# KiCad board main-board-rev1.kicad_pcb (continued)
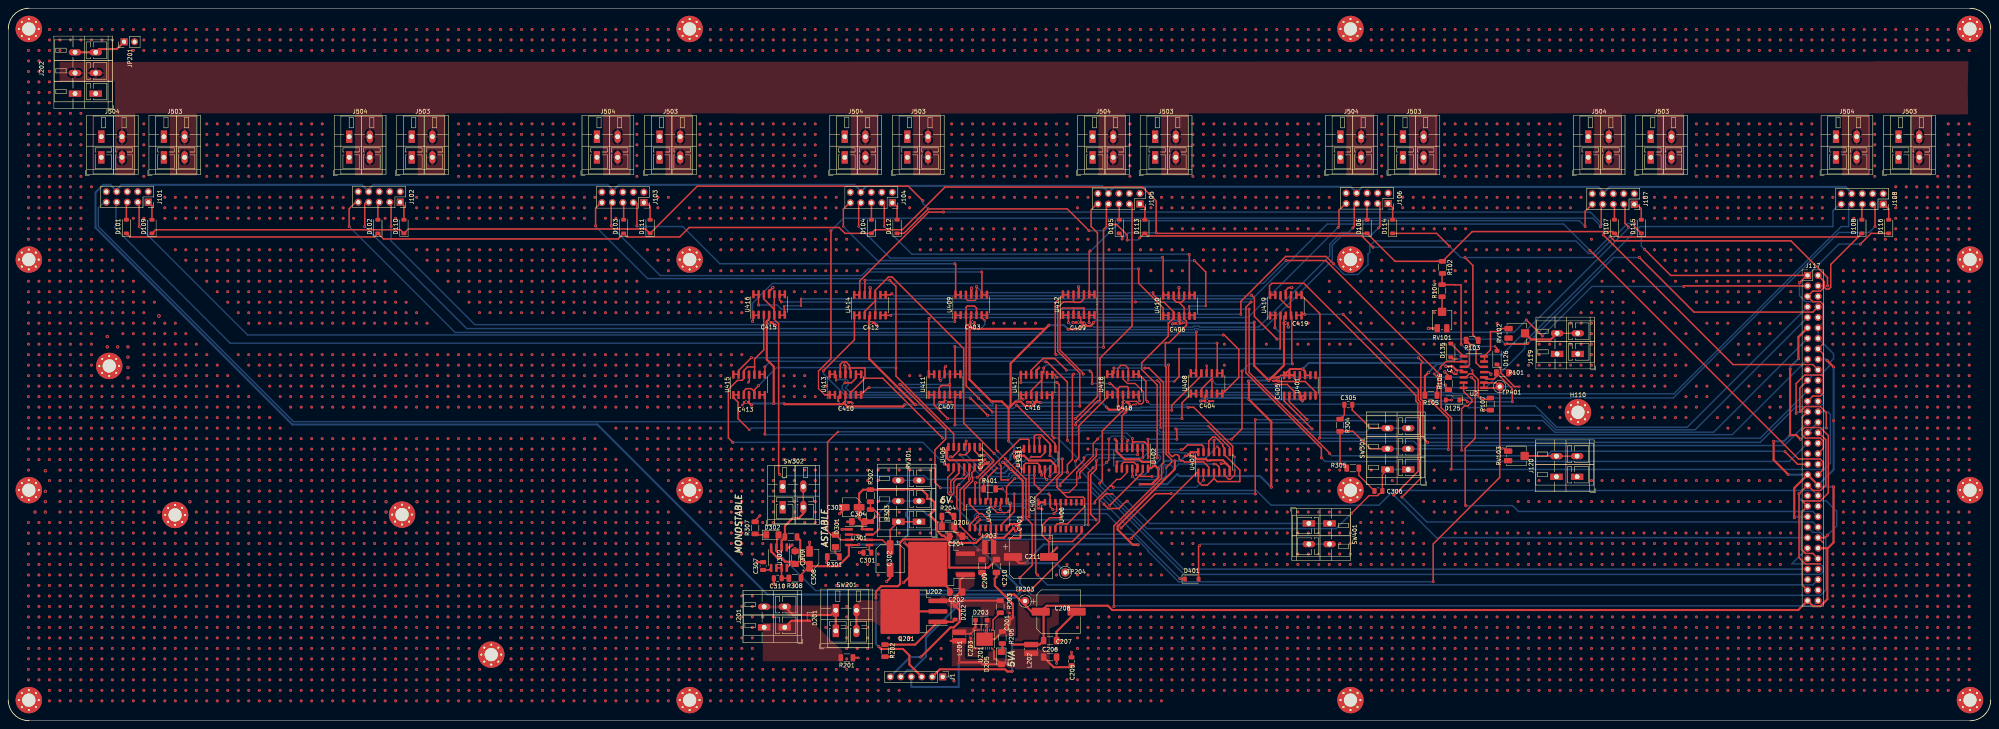
[diagram p0: board, top side]
## Routing (per net, layer and track width the routed paths; a pad name or vN(x,y) marks a point on that pad's centre or on a via; arc(x,y) is an arc through that point) (continued)
 v1(68.39,81.01) v1(68.39,78.47) v1(68.39,75.93) v1(68.39,68.31) v1(68.39,65.77) v1(68.39,63.23) v1(68.39,60.69) v1(68.39,58.15) v1(68.39,55.61) v1(68.39,53.07) v1(68.39,50.53) v1(68.39,47.99) v1(68.39,45.45) v1(68.39,42.91) v1(68.39,40.37) v1(68.39,37.83) v1(68.39,35.29) v1(68.39,32.75) v1(68.39,30.21) v1(68.39,27.67) v1(68.39,25.13) v1(68.39,22.59) v1(68.39,20.05) v1(68.39,17.51) v1(68.39,14.97) v1(68.39,12.43) v1(68.39,9.89) v1(68.39,7.35) v1(68.39,4.81) v1(70.93,167.37) v1(70.93,164.83) v1(70.93,162.29) v1(70.93,144.51) v1(70.93,141.97) v1(70.93,139.43) v1(70.93,136.89) v1(70.93,134.35) v1(70.93,131.81) v1(70.93,126.73) v1(70.93,124.19) v1(70.93,121.65) v1(70.93,114.03) v1(70.93,111.49) v1(70.93,108.95) v1(70.93,106.41) v1(70.93,103.87) v1(70.93,101.33) v1(70.93,98.79) v1(70.93,96.25) v1(70.93,88.63) v1(70.93,86.09) v1(70.93,83.55) v1(70.93,81.01) v1(70.93,78.47) v1(70.93,75.93) v1(70.93,68.31) v1(70.93,65.77) v1(70.93,63.23) v1(70.93,60.69) v1(70.93,58.15) v1(70.93,55.61) v1(70.93,53.07) v1(70.93,50.53) v1(70.93,47.99) v1(70.93,45.45) v1(70.93,42.91) v1(70.93,40.37) v1(70.93,37.83) v1(70.93,35.29) v1(70.93,32.75) v1(70.93,30.21) v1(70.93,27.67) v1(70.93,25.13) v1(70.93,22.59) v1(70.93,20.05) v1(70.93,17.51) v1(70.93,14.97) v1(70.93,12.43) v1(70.93,9.89) v1(70.93,7.35) v1(70.93,4.81) v1(73.47,167.37) v1(73.47,164.83) v1(73.47,162.29) v1(73.47,144.51) v1(73.47,141.97) v1(73.47,139.43) v1(73.47,136.89) v1(73.47,134.35) v1(73.47,131.81) v1(73.47,126.73) v1(73.47,124.19) v1(73.47,121.65) v1(73.47,114.03) v1(73.47,111.49) v1(73.47,108.95) v1(73.47,106.41) v1(73.47,103.87) v1(73.47,101.33) v1(73.47,98.79) v1(73.47,96.25) v1(73.47,88.63) v1(73.47,86.09) v1(73.47,83.55) v1(73.47,81.01) v1(73.47,78.47) v1(73.47,75.93) v1(73.47,68.31) v1(73.47,65.77) v1(73.47,63.23) v1(73.47,60.69) v1(73.47,58.15) v1(73.47,55.61) v1(73.47,53.07) v1(73.47,50.53) v1(73.47,47.99) v1(73.47,45.45) v1(73.47,42.91) v1(73.47,40.37) v1(73.47,37.83) v1(73.47,35.29) v1(73.47,32.75) v1(73.47,30.21) v1(73.47,27.67) v1(73.47,25.13) v1(73.47,22.59) v1(73.47,20.05) v1(73.47,17.51) v1(73.47,14.97) v1(73.47,12.43) v1(73.47,9.89) v1(73.47,7.35) v1(73.47,4.81) v1(76.01,167.37) v1(76.01,164.83) v1(76.01,162.29) v1(76.01,144.51) v1(76.01,141.97) v1(76.01,139.43) v1(76.01,136.89) v1(76.01,134.35) v1(76.01,131.81) v1(76.01,126.73) v1(76.01,124.19) v1(76.01,121.65) v1(76.01,114.03) v1(76.01,111.49) v1(76.01,108.95) v1(76.01,106.41) v1(76.01,103.87) v1(76.01,101.33) v1(76.01,98.79) v1(76.01,96.25) v1(76.01,88.63) v1(76.01,86.09) v1(76.01,83.55) v1(76.01,81.01) v1(76.01,78.47) v1(76.01,75.93) v1(76.01,68.31) v1(76.01,65.77) v1(76.01,63.23) v1(76.01,60.69) v1(76.01,58.15) v1(76.01,55.61) v1(76.01,53.07) v1(76.01,50.53) v1(76.01,47.99) v1(76.01,45.45) v1(76.01,42.91) v1(76.01,40.37) v1(76.01,37.83) v1(76.01,35.29) v1(76.01,32.75) v1(76.01,30.21) v1(76.01,27.67) v1(76.01,25.13) v1(76.01,22.59) v1(76.01,20.05) v1(76.01,17.51) v1(76.01,14.97) v1(76.01,12.43) v1(76.01,9.89) v1(76.01,7.35) v1(76.01,4.81) v1(78.55,167.37) v1(78.55,164.83) v1(78.55,162.29) v1(78.55,126.73) v1(78.55,124.19) v1(78.55,121.65) v1(78.55,114.03) v1(78.55,111.49) v1(78.55,108.95) v1(78.55,106.41) v1(78.55,103.87) v1(78.55,101.33) v1(78.55,98.79) v1(78.55,96.25) v1(78.55,88.63) v1(78.55,86.09) v1(78.55,83.55) v1(78.55,81.01) v1(78.55,78.47) v1(78.55,75.93) v1(78.55,68.31) v1(78.55,65.77) v1(78.55,63.23) v1(78.55,60.69) v1(78.55,58.15) v1(78.55,55.61) v1(78.55,53.07) v1(78.55,50.53) v1(78.55,47.99) v1(78.55,45.45) v1(78.55,42.91) v1(78.55,40.37) v1(78.55,37.83) v1(78.55,35.29) v1(78.55,32.75) v1(78.55,30.21) v1(78.55,27.67) v1(78.55,25.13) v1(78.55,22.59) v1(78.55,20.05) v1(78.55,17.51) v1(78.55,14.97) v1(78.55,12.43) v1(78.55,9.89) v1(78.55,7.35) v1(78.55,4.81) v1(81.09,167.37) v1(81.09,164.83) v1(81.09,162.29) v1(81.09,126.73) v1(81.09,124.19) v1(81.09,121.65) v1(81.09,114.03) v1(81.09,111.49) v1(81.09,108.95) v1(81.09,106.41) v1(81.09,103.87) v1(81.09,101.33) v1(81.09,98.79) v1(81.09,96.25) v1(81.09,88.63) v1(81.09,86.09) v1(81.09,83.55) v1(81.09,81.01) v1(81.09,78.47) v1(81.09,75.93) v1(81.09,68.31) v1(81.09,65.77) v1(81.09,63.23) v1(81.09,60.69) v1(81.09,58.15) v1(81.09,55.61) v1(81.09,53.07) v1(81.09,50.53) v1(81.09,47.99) v1(81.09,45.45) v1(81.09,42.91) v1(81.09,40.37) v1(81.09,37.83) v1(81.09,35.29) v1(81.09,32.75) v1(81.09,30.21) v1(81.09,27.67) v1(81.09,25.13) v1(81.09,22.59) v1(81.09,20.05) v1(81.09,17.51) v1(81.09,14.97) v1(81.09,12.43) v1(81.09,9.89) v1(81.09,7.35) v1(81.09,4.81) v1(83.63,167.37) v1(83.63,164.83) v1(83.63,162.29) v1(83.63,121.65) v1(83.63,114.03) v1(83.63,111.49) v1(83.63,108.95) v1(83.63,106.41) v1(83.63,103.87) v1(83.63,101.33) v1(83.63,98.79) v1(83.63,96.25) v1(83.63,88.63) v1(83.63,86.09) v1(83.63,83.55) v1(83.63,81.01) v1(83.63,78.47) v1(83.63,75.93) v1(83.63,68.31) v1(83.63,65.77) v1(83.63,63.23) v1(83.63,60.69) v1(83.63,58.15) v1(83.63,55.61) v1(83.63,53.07) v1(83.63,50.53) v1(83.63,47.99) v1(83.63,45.45) v1(83.63,42.91) v1(83.63,40.37) v1(83.63,37.83) v1(83.63,35.29) v1(83.63,32.75) v1(83.63,30.21) v1(83.63,27.67) v1(83.63,25.13) v1(83.63,22.59) v1(83.63,20.05) v1(83.63,17.51) v1(83.63,14.97) v1(83.63,12.43) v1(83.63,9.89) v1(83.63,7.35) v1(83.63,4.81) v1(86.17,167.37) v1(86.17,164.83) v1(86.17,162.29) v1(86.17,111.49) v1(86.17,108.95) v1(86.17,106.41) v1(86.17,103.87) v1(86.17,101.33) v1(86.17,98.79) v1(86.17,96.25) v1(86.17,88.63) v1(86.17,86.09) v1(86.17,83.55) v1(86.17,81.01) v1(86.17,78.47) v1(86.17,75.93) v1(86.17,68.31) v1(86.17,65.77) v1(86.17,63.23) v1(86.17,60.69) v1(86.17,58.15) v1(86.17,55.61) v1(86.17,53.07) v1(86.17,50.53) v1(86.17,47.99) v1(86.17,45.45) v1(86.17,42.91) v1(86.17,40.37) v1(86.17,37.83) v1(86.17,35.29) v1(86.17,32.75) v1(86.17,30.21) v1(86.17,27.67) v1(86.17,25.13) v1(86.17,22.59) v1(86.17,20.05) v1(86.17,17.51) v1(86.17,14.97) v1(86.17,12.43) v1(86.17,9.89) v1(86.17,7.35) v1(86.17,4.81) v1(88.71,167.37) v1(88.71,164.83) v1(88.71,162.29) v1(88.71,108.95) v1(88.71,106.41) v1(88.71,103.87) v1(88.71,101.33) v1(88.71,98.79) v1(88.71,96.25) v1(88.71,88.63) v1(88.71,86.09) v1(88.71,83.55) v1(88.71,81.01) v1(88.71,78.47) v1(88.71,75.93) v1(88.71,68.31) v1(88.71,65.77) v1(88.71,63.23) v1(88.71,60.69) v1(88.71,58.15) v1(88.71,55.61) v1(88.71,53.07) v1(88.71,50.53) v1(88.71,47.99) v1(88.71,45.45) v1(88.71,42.91) v1(88.71,40.37) v1(88.71,37.83) v1(88.71,35.29) v1(88.71,32.75) v1(88.71,30.21) v1(88.71,27.67) v1(88.71,25.13) v1(88.71,22.59) v1(88.71,20.05) v1(88.71,17.51) v1(88.71,14.97) v1(88.71,12.43) v1(88.71,9.89) v1(88.71,7.35) v1(88.71,4.81) v1(91.25,167.37) v1(91.25,164.83) v1(91.25,162.29) v1(91.25,121.65) v1(91.25,106.41) v1(91.25,103.87) v1(91.25,101.33) v1(91.25,98.79) v1(91.25,96.25) v1(91.25,88.63) v1(91.25,86.09) v1(91.25,83.55) v1(91.25,81.01) v1(91.25,78.47) v1(91.25,75.93) v1(91.25,68.31) v1(91.25,65.77) v1(91.25,63.23) v1(91.25,60.69) v1(91.25,58.15) v1(91.25,55.61) v1(91.25,47.99) v1(91.25,45.45) v1(91.25,42.91) v1(91.25,40.37) v1(91.25,37.83) v1(91.25,35.29) v1(91.25,32.75) v1(91.25,30.21) v1(91.25,27.67) v1(91.25,25.13) v1(91.25,22.59) v1(91.25,20.05) v1(91.25,17.51) v1(91.25,14.97) v1(91.25,12.43) v1(91.25,9.89) v1(91.25,7.35) v1(91.25,4.81) v1(93.79,167.37) v1(93.79,164.83) v1(93.79,162.29) v1(93.79,121.65) v1(93.79,103.87) v1(93.79,101.33) v1(93.79,98.79) v1(93.79,96.25) v1(93.79,88.63) v1(93.79,86.09) v1(93.79,83.55) v1(93.79,81.01) v1(93.79,78.47) v1(93.79,75.93) v1(93.79,68.31) v1(93.79,65.77) v1(93.79,63.23) v1(93.79,60.69) v1(93.79,58.15) v1(93.79,55.61) v1(93.79,45.45) v1(93.79,42.91) v1(93.79,40.37) v1(93.79,37.83) v1(93.79,35.29) v1(93.79,32.75) v1(93.79,30.21) v1(93.79,27.67) v1(93.79,25.13) v1(93.79,22.59) v1(93.79,20.05) v1(93.79,17.51) v1(93.79,14.97) v1(93.79,12.43) v1(93.79,9.89) v1(93.79,7.35) v1(93.79,4.81) v1(96.33,167.37) v1(96.33,164.83) v1(96.33,162.29) v1(96.33,101.33) v1(96.33,98.79) v1(96.33,96.25) v1(96.33,88.63) v1(96.33,86.09) v1(96.33,83.55) v1(96.33,81.01) v1(96.33,78.47) v1(96.33,75.93) v1(96.33,68.31) v1(96.33,65.77) v1(96.33,63.23) v1(96.33,60.69) v1(96.33,58.15) v1(96.33,55.61) v1(96.33,45.45) v1(96.33,42.91) v1(96.33,40.37) v1(96.33,37.83) v1(96.33,35.29) v1(96.33,32.75) v1(96.33,30.21) v1(96.33,27.67) v1(96.33,25.13) v1(96.33,22.59) v1(96.33,20.05) v1(96.33,17.51) v1(96.33,14.97) v1(96.33,12.43) v1(96.33,9.89) v1(96.33,7.35) v1(96.33,4.81) v1(98.87,167.37) v1(98.87,164.83) v1(98.87,162.29) v1(98.87,126.73) v1(98.87,124.19) v1(98.87,121.65) v1(98.87,114.03) v1(98.87,98.79) v1(98.87,96.25) v1(98.87,88.63) v1(98.87,86.09) v1(98.87,83.55) v1(98.87,81.01) v1(98.87,78.47) v1(98.87,75.93) v1(98.87,68.31) v1(98.87,65.77) v1(98.87,63.23) v1(98.87,60.69) v1(98.87,58.15) v1(98.87,55.61) v1(98.87,45.45) v1(98.87,42.91) v1(98.87,40.37) v1(98.87,37.83) v1(98.87,35.29) v1(98.87,32.75) v1(98.87,30.21) v1(98.87,27.67) v1(98.87,25.13) v1(98.87,22.59) v1(98.87,20.05) v1(98.87,17.51) v1(98.87,14.97) v1(98.87,12.43) v1(98.87,9.89) v1(98.87,7.35) v1(98.87,4.81) v1(101.41,167.37) v1(101.41,164.83) v1(101.41,162.29) v1(101.41,126.73) v1(101.41,124.19) v1(101.41,121.65) v1(101.41,114.03) v1(101.41,111.49) v1(101.41,96.25) v1(101.41,88.63) v1(101.41,86.09) v1(101.41,83.55) v1(101.41,81.01) v1(101.41,78.47) v1(101.41,75.93) v1(101.41,68.31) v1(101.41,65.77) v1(101.41,63.23) v1(101.41,60.69) v1(101.41,58.15) v1(101.41,55.61) v1(101.41,53.07) v1(101.41,50.53) v1(101.41,47.99) v1(101.41,45.45) v1(101.41,42.91) v1(101.41,40.37) v1(101.41,37.83) v1(101.41,35.29) v1(101.41,32.75) v1(101.41,30.21) v1(101.41,27.67) v1(101.41,25.13) v1(101.41,22.59) v1(101.41,20.05) v1(101.41,17.51) v1(101.41,14.97) v1(101.41,12.43) v1(101.41,9.89) v1(101.41,7.35) v1(101.41,4.81) v1(103.95,167.37) v1(103.95,164.83) v1(103.95,162.29) v1(103.95,126.73) v1(103.95,124.19) v1(103.95,121.65) v1(103.95,114.03) v1(103.95,111.49) v1(103.95,108.95) v1(103.95,88.63) v1(103.95,86.09) v1(103.95,83.55) v1(103.95,81.01) v1(103.95,78.47) v1(103.95,75.93) v1(103.95,68.31) v1(103.95,65.77) v1(103.95,63.23) v1(103.95,60.69) v1(103.95,58.15) v1(103.95,55.61) v1(103.95,53.07) v1(103.95,50.53) v1(103.95,47.99) v1(103.95,45.45) v1(103.95,42.91) v1(103.95,40.37) v1(103.95,37.83) v1(103.95,35.29) v1(103.95,32.75) v1(103.95,30.21) v1(103.95,27.67) v1(103.95,25.13) v1(103.95,22.59) v1(103.95,20.05) v1(103.95,17.51) v1(103.95,14.97) v1(103.95,12.43) v1(103.95,9.89) v1(103.95,7.35) v1(103.95,4.81) v1(106.49,167.37) v1(106.49,164.83) v1(106.49,162.29) v1(106.49,126.73) v1(106.49,124.19) v1(106.49,121.65) v1(106.49,114.03) v1(106.49,111.49) v1(106.49,108.95) v1(106.49,106.41) v1(106.49,88.63) v1(106.49,86.09) v1(106.49,83.55) v1(106.49,81.01) v1(106.49,78.47) v1(106.49,75.93) v1(106.49,68.31) v1(106.49,65.77) v1(106.49,63.23) v1(106.49,60.69) v1(106.49,58.15) v1(106.49,55.61) v1(106.49,53.07) v1(106.49,50.53) v1(106.49,47.99) v1(106.49,45.45) v1(106.49,42.91) v1(106.49,40.37) v1(106.49,37.83) v1(106.49,35.29) v1(106.49,32.75) v1(106.49,30.21) v1(106.49,27.67) v1(106.49,25.13) v1(106.49,22.59) v1(106.49,20.05) v1(106.49,17.51) v1(106.49,14.97) v1(106.49,12.43) v1(106.49,9.89) v1(106.49,7.35) v1(106.49,4.81) v1(109.03,167.37) v1(109.03,164.83) v1(109.03,162.29) v1(109.03,144.51) v1(109.03,141.97) v1(109.03,139.43) v1(109.03,136.89) v1(109.03,134.35) v1(109.03,131.81) v1(109.03,126.73) v1(109.03,124.19) v1(109.03,121.65) v1(109.03,114.03) v1(109.03,111.49) v1(109.03,108.95) v1(109.03,106.41) v1(109.03,103.87) v1(109.03,88.63) v1(109.03,86.09) v1(109.03,83.55) v1(109.03,81.01) v1(109.03,78.47) v1(109.03,75.93) v1(109.03,68.31) v1(109.03,65.77) v1(109.03,63.23) v1(109.03,60.69) v1(109.03,58.15) v1(109.03,55.61) v1(109.03,53.07) v1(109.03,50.53) v1(109.03,47.99) v1(109.03,45.45) v1(109.03,42.91) v1(109.03,40.37) v1(109.03,37.83) v1(109.03,35.29) v1(109.03,32.75) v1(109.03,30.21) v1(109.03,27.67) v1(109.03,25.13) v1(109.03,22.59) v1(109.03,20.05) v1(109.03,17.51) v1(109.03,14.97) v1(109.03,12.43) v1(109.03,9.89) v1(109.03,7.35) v1(109.03,4.81) v1(111.57,167.37) v1(111.57,164.83) v1(111.57,162.29) v1(111.57,144.51) v1(111.57,141.97) v1(111.57,139.43) v1(111.57,136.89) v1(111.57,134.35) v1(111.57,131.81) v1(111.57,126.73) v1(111.57,124.19) v1(111.57,121.65) v1(111.57,114.03) v1(111.57,111.49) v1(111.57,108.95) v1(111.57,106.41) v1(111.57,103.87) v1(111.57,101.33) v1(111.57,88.63) v1(111.57,86.09) v1(111.57,83.55) v1(111.57,81.01) v1(111.57,78.47) v1(111.57,75.93) v1(111.57,68.31) v1(111.57,65.77) v1(111.57,63.23) v1(111.57,60.69) v1(111.57,58.15) v1(111.57,55.61) v1(111.57,53.07) v1(111.57,50.53) v1(111.57,47.99) v1(111.57,45.45) v1(111.57,42.91) v1(111.57,40.37) v1(111.57,37.83) v1(111.57,35.29) v1(111.57,32.75) v1(111.57,30.21) v1(111.57,27.67) v1(111.57,25.13) v1(111.57,22.59) v1(111.57,20.05) v1(111.57,17.51) v1(111.57,14.97) v1(111.57,12.43) v1(111.57,9.89) v1(111.57,7.35) v1(111.57,4.81) v1(114.11,167.37) v1(114.11,164.83) v1(114.11,162.29) v1(114.11,144.51) v1(114.11,141.97) v1(114.11,139.43) v1(114.11,136.89) v1(114.11,134.35) v1(114.11,131.81) v1(114.11,126.73) v1(114.11,124.19) v1(114.11,121.65) v1(114.11,114.03) v1(114.11,111.49) v1(114.11,108.95) v1(114.11,106.41) v1(114.11,103.87) v1(114.11,101.33) v1(114.11,98.79) v1(114.11,88.63) v1(114.11,86.09) v1(114.11,83.55) v1(114.11,81.01) v1(114.11,78.47) v1(114.11,75.93) v1(114.11,68.31) v1(114.11,65.77) v1(114.11,63.23) v1(114.11,60.69) v1(114.11,58.15) v1(114.11,55.61) v1(114.11,53.07) v1(114.11,50.53) v1(114.11,47.99) v1(114.11,45.45) v1(114.11,42.91) v1(114.11,40.37) v1(114.11,37.83) v1(114.11,35.29) v1(114.11,32.75) v1(114.11,30.21) v1(114.11,27.67) v1(114.11,25.13) v1(114.11,22.59) v1(114.11,20.05) v1(114.11,12.43) v1(114.11,9.89) v1(114.11,7.35) v1(114.11,4.81) v1(116.65,167.37) v1(116.65,164.83) v1(116.65,162.29) v1(116.65,144.51) v1(116.65,141.97) v1(116.65,139.43) v1(116.65,136.89) v1(116.65,134.35) v1(116.65,131.81) v1(116.65,126.73) v1(116.65,124.19) v1(116.65,121.65) v1(116.65,114.03) v1(116.65,111.49) v1(116.65,108.95) v1(116.65,106.41) v1(116.65,103.87) v1(116.65,101.33) v1(116.65,98.79) v1(116.65,88.63) v1(116.65,86.09) v1(116.65,83.55) v1(116.65,81.01) v1(116.65,78.47) v1(116.65,75.93) v1(116.65,68.31) v1(116.65,65.77) v1(116.65,63.23) v1(116.65,60.69) v1(116.65,58.15) v1(116.65,55.61) v1(116.65,53.07) v1(116.65,50.53) v1(116.65,47.99) v1(116.65,45.45) v1(116.65,42.91) v1(116.65,40.37) v1(116.65,37.83) v1(116.65,35.29) v1(116.65,32.75) v1(116.65,30.21) v1(116.65,27.67) v1(116.65,25.13) v1(116.65,22.59) v1(116.65,9.89) v1(116.65,7.35) v1(116.65,4.81) v1(119.19,167.37) v1(119.19,164.83) v1(119.19,162.29) v1(119.19,144.51) v1(119.19,141.97) v1(119.19,139.43) v1(119.19,136.89) v1(119.19,134.35) v1(119.19,131.81) v1(119.19,126.73) v1(119.19,124.19) v1(119.19,121.65) v1(119.19,114.03) v1(119.19,111.49) v1(119.19,108.95) v1(119.19,106.41) v1(119.19,103.87) v1(119.19,101.33) v1(119.19,98.79) v1(119.19,88.63) v1(119.19,86.09) v1(119.19,83.55) v1(119.19,81.01) v1(119.19,78.47) v1(119.19,75.93) v1(119.19,68.31) v1(119.19,65.77) v1(119.19,63.23) v1(119.19,60.69) v1(119.19,58.15) v1(119.19,55.61) v1(119.19,53.07) v1(119.19,50.53) v1(119.19,47.99) v1(119.19,45.45) v1(119.19,42.91) v1(119.19,40.37) v1(119.19,37.83) v1(119.19,35.29) v1(119.19,32.75) v1(119.19,30.21) v1(119.19,27.67) v1(119.19,25.13) v1(119.19,22.59) v1(119.19,20.05) v1(119.19,9.89) v1(119.19,7.35) v1(119.19,4.81) v1(121.73,167.37) v1(121.73,164.83) v1(121.73,162.29) v1(121.73,144.51) v1(121.73,141.97) v1(121.73,139.43) v1(121.73,136.89) v1(121.73,134.35) v1(121.73,131.81) v1(121.73,126.73) v1(121.73,124.19) v1(121.73,121.65) v1(121.73,114.03) v1(121.73,111.49) v1(121.73,108.95) v1(121.73,106.41) v1(121.73,103.87) v1(121.73,101.33) v1(121.73,98.79) v1(121.73,88.63) v1(121.73,86.09) v1(121.73,83.55) v1(121.73,81.01) v1(121.73,78.47) v1(121.73,75.93) v1(121.73,68.31) v1(121.73,65.77) v1(121.73,63.23) v1(121.73,60.69) v1(121.73,58.15) v1(121.73,55.61) v1(121.73,53.07) v1(121.73,50.53) v1(121.73,47.99) v1(121.73,45.45) v1(121.73,42.91) v1(121.73,40.37) v1(121.73,37.83) v1(121.73,35.29) v1(121.73,32.75) v1(121.73,30.21) v1(121.73,27.67) v1(121.73,25.13) v1(121.73,22.59) v1(121.73,20.05) v1(121.73,17.51) v1(121.73,14.97) v1(121.73,12.43) v1(121.73,9.89) v1(121.73,7.35) v1(121.73,4.81) v1(124.27,167.37) v1(124.27,164.83) v1(124.27,162.29) v1(124.27,144.51) v1(124.27,141.97) v1(124.27,139.43) v1(124.27,136.89) v1(124.27,134.35) v1(124.27,131.81) v1(124.27,126.73) v1(124.27,124.19) v1(124.27,121.65) v1(124.27,114.03) v1(124.27,111.49) v1(124.27,108.95) v1(124.27,106.41) v1(124.27,103.87) v1(124.27,101.33) v1(124.27,98.79) v1(124.27,88.63) v1(124.27,86.09) v1(124.27,83.55) v1(124.27,81.01) v1(124.27,78.47) v1(124.27,75.93) v1(124.27,68.31) v1(124.27,65.77) v1(124.27,63.23) v1(124.27,60.69) v1(124.27,58.15) v1(124.27,55.61) v1(124.27,53.07) v1(124.27,50.53) v1(124.27,47.99) v1(124.27,45.45) v1(124.27,42.91) v1(124.27,40.37) v1(124.27,37.83) v1(124.27,35.29) v1(124.27,32.75) v1(124.27,30.21) v1(124.27,27.67) v1(124.27,25.13) v1(124.27,22.59) v1(124.27,20.05) v1(124.27,17.51) v1(124.27,14.97) v1(124.27,12.43) v1(124.27,9.89) v1(124.27,7.35) v1(124.27,4.81) v1(126.81,167.37) v1(126.81,164.83) v1(126.81,162.29) v1(126.81,144.51) v1(126.81,141.97) v1(126.81,139.43) v1(126.81,136.89) v1(126.81,134.35) v1(126.81,131.81) v1(126.81,126.73) v1(126.81,124.19) v1(126.81,121.65) v1(126.81,114.03) v1(126.81,111.49) v1(126.81,108.95) v1(126.81,106.41) v1(126.81,103.87) v1(126.81,101.33) v1(126.81,98.79) v1(126.81,88.63) v1(126.81,86.09) v1(126.81,83.55) v1(126.81,81.01) v1(126.81,78.47) v1(126.81,75.93) v1(126.81,68.31) v1(126.81,65.77) v1(126.81,63.23) v1(126.81,60.69) v1(126.81,58.15) v1(126.81,55.61) v1(126.81,53.07) v1(126.81,50.53) v1(126.81,47.99) v1(126.81,45.45) v1(126.81,42.91) v1(126.81,40.37) v1(126.81,37.83) v1(126.81,35.29) v1(126.81,32.75) v1(126.81,30.21) v1(126.81,27.67) v1(126.81,25.13) v1(126.81,22.59) v1(126.81,20.05) v1(126.81,17.51) v1(126.81,14.97) v1(126.81,12.43) v1(126.81,9.89) v1(126.81,7.35) v1(126.81,4.81) v1(129.35,167.37) v1(129.35,164.83) v1(129.35,162.29) v1(129.35,144.51) v1(129.35,141.97) v1(129.35,139.43) v1(129.35,136.89) v1(129.35,134.35) v1(129.35,131.81) v1(129.35,126.73) v1(129.35,124.19) v1(129.35,121.65) v1(129.35,114.03) v1(129.35,111.49) v1(129.35,108.95) v1(129.35,106.41) v1(129.35,103.87) v1(129.35,101.33) v1(129.35,98.79) v1(129.35,88.63) v1(129.35,86.09) v1(129.35,83.55) v1(129.35,81.01) v1(129.35,78.47) v1(129.35,75.93) v1(129.35,68.31) v1(129.35,65.77) v1(129.35,63.23) v1(129.35,60.69) v1(129.35,58.15) v1(129.35,55.61) v1(129.35,53.07) v1(129.35,50.53) v1(129.35,47.99) v1(129.35,45.45) v1(129.35,42.91) v1(129.35,40.37) v1(129.35,37.83) v1(129.35,35.29) v1(129.35,32.75) v1(129.35,30.21) v1(129.35,27.67) v1(129.35,25.13) v1(129.35,22.59) v1(129.35,20.05) v1(129.35,17.51) v1(129.35,14.97) v1(129.35,12.43) v1(129.35,9.89) v1(129.35,7.35) v1(129.35,4.81) v1(131.89,167.37) v1(131.89,164.83) v1(131.89,162.29) v1(131.89,144.51) v1(131.89,141.97) v1(131.89,139.43) v1(131.89,136.89) v1(131.89,134.35) v1(131.89,131.81) v1(131.89,126.73) v1(131.89,124.19) v1(131.89,121.65) v1(131.89,114.03) v1(131.89,111.49) v1(131.89,108.95) v1(131.89,106.41) v1(131.89,103.87) v1(131.89,101.33) v1(131.89,98.79) v1(131.89,88.63) v1(131.89,86.09) v1(131.89,83.55) v1(131.89,81.01) v1(131.89,78.47) v1(131.89,75.93) v1(131.89,68.31) v1(131.89,65.77) v1(131.89,63.23) v1(131.89,60.69) v1(131.89,58.15) v1(131.89,55.61) v1(131.89,53.07) v1(131.89,50.53) v1(131.89,47.99) v1(131.89,45.45) v1(131.89,42.91) v1(131.89,40.37) v1(131.89,37.83) v1(131.89,35.29) v1(131.89,32.75) v1(131.89,30.21) v1(131.89,27.67) v1(131.89,25.13) v1(131.89,22.59) v1(131.89,20.05) v1(131.89,17.51) v1(131.89,14.97) v1(131.89,12.43) v1(131.89,9.89) v1(131.89,7.35) v1(131.89,4.81) v1(134.43,167.37) v1(134.43,164.83) v1(134.43,162.29) v1(134.43,144.51) v1(134.43,141.97) v1(134.43,139.43) v1(134.43,136.89) v1(134.43,134.35) v1(134.43,131.81) v1(134.43,126.73) v1(134.43,124.19) v1(134.43,121.65) v1(134.43,114.03) v1(134.43,111.49) v1(134.43,108.95) v1(134.43,106.41) v1(134.43,103.87) v1(134.43,101.33) v1(134.43,98.79) v1(134.43,88.63) v1(134.43,86.09) v1(134.43,83.55) v1(134.43,81.01) v1(134.43,78.47) v1(134.43,75.93) v1(134.43,68.31) v1(134.43,65.77) v1(134.43,63.23) v1(134.43,60.69) v1(134.43,58.15) v1(134.43,55.61) v1(134.43,53.07) v1(134.43,50.53) v1(134.43,47.99) v1(134.43,45.45) v1(134.43,42.91) v1(134.43,40.37) v1(134.43,37.83) v1(134.43,35.29) v1(134.43,32.75) v1(134.43,30.21) v1(134.43,27.67) v1(134.43,25.13) v1(134.43,22.59) v1(134.43,20.05) v1(134.43,17.51) v1(134.43,14.97) v1(134.43,12.43) v1(134.43,9.89) v1(134.43,7.35) v1(134.43,4.81) v1(136.97,167.37) v1(136.97,164.83) v1(136.97,162.29) v1(136.97,144.51) v1(136.97,141.97) v1(136.97,139.43) v1(136.97,136.89) v1(136.97,134.35) v1(136.97,131.81) v1(136.97,126.73) v1(136.97,124.19) v1(136.97,121.65) v1(136.97,114.03) v1(136.97,111.49) v1(136.97,108.95) v1(136.97,106.41) v1(136.97,103.87) v1(136.97,101.33) v1(136.97,98.79) v1(136.97,88.63) v1(136.97,86.09) v1(136.97,83.55) v1(136.97,81.01) v1(136.97,78.47) v1(136.97,75.93) v1(136.97,68.31) v1(136.97,65.77) v1(136.97,63.23) v1(136.97,60.69) v1(136.97,58.15) v1(136.97,55.61) v1(136.97,53.07) v1(136.97,50.53) v1(136.97,47.99) v1(136.97,45.45) v1(136.97,42.91) v1(136.97,40.37) v1(136.97,37.83) v1(136.97,35.29) v1(136.97,32.75) v1(136.97,30.21) v1(136.97,27.67) v1(136.97,25.13) v1(136.97,22.59) v1(136.97,20.05) v1(136.97,17.51) v1(136.97,14.97) v1(136.97,12.43) v1(136.97,9.89) v1(136.97,7.35) v1(136.97,4.81) v1(139.51,167.37) v1(139.51,164.83) v1(139.51,162.29) v1(139.51,126.73) v1(139.51,124.19) v1(139.51,121.65) v1(139.51,114.03) v1(139.51,111.49) v1(139.51,108.95) v1(139.51,106.41) v1(139.51,103.87) v1(139.51,101.33) v1(139.51,98.79) v1(139.51,88.63) v1(139.51,86.09) v1(139.51,83.55) v1(139.51,81.01) v1(139.51,78.47) v1(139.51,75.93) v1(139.51,68.31) v1(139.51,65.77) v1(139.51,63.23) v1(139.51,60.69) v1(139.51,58.15) v1(139.51,55.61) v1(139.51,53.07) v1(139.51,50.53) v1(139.51,47.99) v1(139.51,45.45) v1(139.51,42.91) v1(139.51,40.37) v1(139.51,37.83) v1(139.51,35.29) v1(139.51,32.75) v1(139.51,30.21) v1(139.51,27.67) v1(139.51,25.13) v1(139.51,22.59) v1(139.51,20.05) v1(139.51,17.51) v1(139.51,14.97) v1(139.51,12.43) v1(139.51,9.89) v1(139.51,7.35) v1(139.51,4.81) v1(142.05,167.37) v1(142.05,164.83) v1(142.05,162.29) v1(142.05,126.73) v1(142.05,114.03) v1(142.05,111.49) v1(142.05,108.95) v1(142.05,106.41) v1(142.05,103.87) v1(142.05,101.33) v1(142.05,98.79) v1(142.05,88.63) v1(142.05,86.09) v1(142.05,83.55) v1(142.05,81.01) v1(142.05,78.47) v1(142.05,75.93) v1(142.05,68.31) v1(142.05,65.77) v1(142.05,63.23) v1(142.05,60.69) v1(142.05,58.15) v1(142.05,55.61) v1(142.05,53.07) v1(142.05,50.53) v1(142.05,47.99) v1(142.05,45.45) v1(142.05,42.91) v1(142.05,40.37) v1(142.05,37.83) v1(142.05,35.29) v1(142.05,32.75) v1(142.05,30.21) v1(142.05,27.67) v1(142.05,25.13) v1(142.05,22.59) v1(142.05,20.05) v1(142.05,17.51) v1(142.05,14.97) v1(142.05,12.43) v1(142.05,9.89) v1(142.05,7.35) v1(142.05,4.81) v1(144.59,167.37) v1(144.59,164.83) v1(144.59,162.29) v1(144.59,121.65) v1(144.59,114.03) v1(144.59,111.49) v1(144.59,108.95) v1(144.59,106.41) v1(144.59,103.87) v1(144.59,101.33) v1(144.59,98.79) v1(144.59,88.63) v1(144.59,86.09) v1(144.59,83.55) v1(144.59,81.01) v1(144.59,78.47) v1(144.59,75.93) v1(144.59,65.77) v1(144.59,63.23) v1(144.59,60.69) v1(144.59,58.15) v1(144.59,55.61) v1(144.59,53.07) v1(144.59,50.53) v1(144.59,47.99) v1(144.59,45.45) v1(144.59,42.91) v1(144.59,40.37) v1(144.59,37.83) v1(144.59,35.29) v1(144.59,32.75) v1(144.59,30.21) v1(144.59,27.67) v1(144.59,25.13) v1(144.59,22.59) v1(144.59,20.05) v1(144.59,17.51) v1(144.59,14.97) v1(144.59,12.43) v1(144.59,9.89) v1(144.59,7.35) v1(144.59,4.81) v1(147.13,167.37) v1(147.13,164.83) v1(147.13,162.29) v1(147.13,121.65) v1(147.13,111.49) v1(147.13,108.95) v1(147.13,106.41) v1(147.13,103.87) v1(147.13,101.33) v1(147.13,98.79) v1(147.13,88.63) v1(147.13,86.09) v1(147.13,83.55) v1(147.13,81.01) v1(147.13,78.47) v1(147.13,75.93) v1(147.13,70.85) v1(147.13,63.23) v1(147.13,60.69) v1(147.13,58.15) v1(147.13,55.61) v1(147.13,53.07) v1(147.13,50.53) v1(147.13,47.99) v1(147.13,45.45) v1(147.13,42.91) v1(147.13,40.37) v1(147.13,37.83) v1(147.13,35.29) v1(147.13,32.75) v1(147.13,30.21) v1(147.13,27.67) v1(147.13,25.13) v1(147.13,22.59) v1(147.13,20.05) v1(147.13,17.51) v1(147.13,14.97) v1(147.13,12.43) v1(147.13,9.89) v1(147.13,7.35) v1(147.13,4.81) v1(149.67,167.37) v1(149.67,164.83) v1(149.67,162.29) v1(149.67,108.95) v1(149.67,106.41) v1(149.67,103.87) v1(149.67,101.33) v1(149.67,98.79) v1(149.67,88.63) v1(149.67,86.09) v1(149.67,83.55) v1(149.67,81.01) v1(149.67,78.47) v1(149.67,75.93) v1(149.67,70.85) v1(149.67,68.31) v1(149.67,60.69) v1(149.67,58.15) v1(149.67,55.61) v1(149.67,53.07) v1(149.67,50.53) v1(149.67,47.99) v1(149.67,45.45) v1(149.67,42.91) v1(149.67,40.37) v1(149.67,37.83) v1(149.67,35.29) v1(149.67,32.75) v1(149.67,30.21) v1(149.67,27.67) v1(149.67,25.13) v1(149.67,22.59) v1(149.67,20.05) v1(149.67,17.51) v1(149.67,14.97) v1(149.67,12.43) v1(149.67,9.89) v1(149.67,7.35) v1(149.67,4.81) v1(152.21,167.37) v1(152.21,164.83) v1(152.21,162.29) v1(152.21,144.51) v1(152.21,141.97) v1(152.21,139.43) v1(152.21,136.89) v1(152.21,134.35) v1(152.21,131.81) v1(152.21,106.41) v1(152.21,103.87) v1(152.21,101.33) v1(152.21,98.79) v1(152.21,88.63) v1(152.21,86.09) v1(152.21,83.55) v1(152.21,81.01) v1(152.21,78.47) v1(152.21,75.93) v1(152.21,70.85) v1(152.21,68.31) v1(152.21,65.77) v1(152.21,58.15) v1(152.21,55.61) v1(152.21,53.07) v1(152.21,50.53) v1(152.21,47.99) v1(152.21,45.45) v1(152.21,42.91) v1(152.21,40.37) v1(152.21,37.83) v1(152.21,35.29) v1(152.21,32.75) v1(152.21,30.21) v1(152.21,27.67) v1(152.21,25.13) v1(152.21,22.59) v1(152.21,20.05) v1(152.21,17.51) v1(152.21,14.97) v1(152.21,12.43) v1(152.21,9.89) v1(152.21,7.35) v1(152.21,4.81) v1(154.75,167.37) v1(154.75,164.83) v1(154.75,162.29) v1(154.75,114.03) v1(154.75,103.87) v1(154.75,101.33) v1(154.75,98.79) v1(154.75,88.63) v1(154.75,86.09) v1(154.75,83.55) v1(154.75,81.01) v1(154.75,78.47) v1(154.75,75.93) v1(154.75,70.85) v1(154.75,68.31) v1(154.75,65.77) v1(154.75,63.23) v1(154.75,55.61) v1(154.75,53.07) v1(154.75,50.53) v1(154.75,47.99) v1(154.75,45.45) v1(154.75,42.91) v1(154.75,40.37) v1(154.75,37.83) v1(154.75,35.29) v1(154.75,32.75) v1(154.75,30.21) v1(154.75,27.67) v1(154.75,25.13) v1(154.75,22.59) v1(154.75,20.05) v1(154.75,17.51) v1(154.75,14.97) v1(154.75,12.43) v1(154.75,9.89) v1(154.75,7.35) v1(154.75,4.81) v1(157.29,167.37) v1(157.29,164.83) v1(157.29,162.29) v1(157.29,126.73) v1(157.29,124.19) v1(157.29,114.03) v1(157.29,111.49) v1(157.29,103.87) v1(157.29,101.33) v1(157.29,98.79) v1(157.29,88.63) v1(157.29,86.09) v1(157.29,83.55) v1(157.29,81.01) v1(157.29,78.47) v1(157.29,75.93) v1(157.29,70.85) v1(157.29,68.31) v1(157.29,65.77) v1(157.29,63.23) v1(157.29,60.69) v1(157.29,53.07) v1(157.29,50.53) v1(157.29,47.99) v1(157.29,45.45) v1(157.29,42.91) v1(157.29,40.37) v1(157.29,37.83) v1(157.29,35.29) v1(157.29,32.75) v1(157.29,30.21) v1(157.29,27.67) v1(157.29,25.13) v1(157.29,22.59) v1(157.29,20.05) v1(157.29,17.51) v1(157.29,14.97) v1(157.29,12.43) v1(157.29,9.89) v1(157.29,7.35) v1(157.29,4.81) v1(159.83,167.37) v1(159.83,164.83) v1(159.83,162.29) v1(159.83,126.73) v1(159.83,114.03) v1(159.83,111.49) v1(159.83,108.95) v1(159.83,103.87) v1(159.83,101.33) v1(159.83,98.79) v1(159.83,88.63) v1(159.83,86.09) v1(159.83,83.55) v1(159.83,81.01) v1(159.83,78.47) v1(159.83,75.93) v1(159.83,70.85) v1(159.83,68.31) v1(159.83,65.77) v1(159.83,63.23) v1(159.83,60.69) v1(159.83,58.15) v1(159.83,50.53) v1(159.83,47.99) v1(159.83,45.45) v1(159.83,42.91) v1(159.83,40.37) v1(159.83,37.83) v1(159.83,35.29) v1(159.83,32.75) v1(159.83,30.21) v1(159.83,27.67) v1(159.83,25.13) v1(159.83,22.59) v1(159.83,20.05) v1(159.83,17.51) v1(159.83,14.97) v1(159.83,12.43) v1(159.83,9.89) v1(159.83,7.35) v1(159.83,4.81) v1(162.37,162.29) v1(162.37,121.65) v1(162.37,103.87) v1(162.37,101.33) v1(162.37,98.79) v1(162.37,88.63) v1(162.37,86.09) v1(162.37,83.55) v1(162.37,81.01) v1(162.37,78.47) v1(162.37,75.93) v1(162.37,70.85) v1(162.37,68.31) v1(162.37,65.77) v1(162.37,63.23) v1(162.37,60.69) v1(162.37,47.99) v1(162.37,45.45) v1(162.37,42.91) v1(162.37,40.37) v1(162.37,37.83) v1(162.37,35.29) v1(162.37,32.75) v1(162.37,30.21) v1(162.37,27.67) v1(162.37,25.13) v1(162.37,22.59) v1(162.37,20.05) v1(162.37,17.51) v1(162.37,14.97) v1(162.37,12.43) v1(162.37,9.89) v1(164.91,162.29) v1(164.91,124.19) v1(164.91,121.65) v1(164.91,103.87) v1(164.91,101.33) v1(164.91,98.79) v1(164.91,88.63) v1(164.91,86.09) v1(164.91,83.55) v1(164.91,81.01) v1(164.91,78.47) v1(164.91,75.93) v1(164.91,70.85) v1(164.91,68.31) v1(164.91,65.77) v1(164.91,63.23) v1(164.91,60.69) v1(164.91,45.45) v1(164.91,42.91) v1(164.91,40.37) v1(164.91,37.83) v1(164.91,35.29) v1(164.91,32.75) v1(164.91,30.21) v1(164.91,27.67) v1(164.91,25.13) v1(164.91,22.59) v1(164.91,20.05) v1(164.91,17.51) v1(164.91,14.97) v1(164.91,12.43) v1(164.91,9.89) v1(167.45,162.29) v1(167.45,144.51) v1(167.45,141.97) v1(167.45,139.43) v1(167.45,136.89) v1(167.45,134.35) v1(167.45,131.81) v1(167.45,126.73) v1(167.45,124.19) v1(167.45,121.65) v1(167.45,103.87) v1(167.45,101.33) v1(167.45,98.79) v1(167.45,88.63) v1(167.45,86.09) v1(167.45,83.55) v1(167.45,81.01) v1(167.45,78.47) v1(167.45,75.93) v1(167.45,70.85) v1(167.45,68.31) v1(167.45,65.77) v1(167.45,63.23) v1(167.45,60.69) v1(167.45,50.53) v1(167.45,42.91) v1(167.45,40.37) v1(167.45,37.83) v1(167.45,35.29) v1(167.45,32.75) v1(167.45,30.21) v1(167.45,27.67) v1(167.45,25.13) v1(167.45,22.59) v1(167.45,20.05) v1(167.45,17.51) v1(167.45,14.97) v1(167.45,12.43) v1(167.45,9.89) v1(169.99,167.37) v1(169.99,164.83) v1(169.99,162.29) v1(169.99,144.51) v1(169.99,141.97) v1(169.99,139.43) v1(169.99,136.89) v1(169.99,134.35) v1(169.99,131.81) v1(169.99,126.73) v1(169.99,124.19) v1(169.99,121.65) v1(169.99,116.57) v1(169.99,108.95) v1(169.99,103.87) v1(169.99,101.33) v1(169.99,98.79) v1(169.99,88.63) v1(169.99,86.09) v1(169.99,83.55) v1(169.99,81.01) v1(169.99,78.47) v1(169.99,75.93) v1(169.99,70.85) v1(169.99,68.31) v1(169.99,65.77) v1(169.99,63.23) v1(169.99,60.69) v1(169.99,58.15) v1(169.99,55.61) v1(169.99,53.07) v1(169.99,50.53) v1(169.99,47.99) v1(169.99,40.37) v1(169.99,37.83) v1(169.99,35.29) v1(169.99,32.75) v1(169.99,30.21) v1(169.99,27.67) v1(169.99,25.13) v1(169.99,22.59) v1(169.99,20.05) v1(169.99,17.51) v1(169.99,14.97) v1(169.99,12.43) v1(169.99,9.89) v1(169.99,7.35) v1(169.99,4.81) v1(172.53,167.37) v1(172.53,164.83) v1(172.53,162.29) v1(172.53,144.51) v1(172.53,141.97) v1(172.53,139.43) v1(172.53,136.89) v1(172.53,134.35) v1(172.53,131.81) v1(172.53,126.73) v1(172.53,124.19) v1(172.53,121.65) v1(172.53,116.57) v1(172.53,114.03) v1(172.53,108.95) v1(172.53,103.87) v1(172.53,101.33) v1(172.53,98.79) v1(172.53,88.63) v1(172.53,86.09) v1(172.53,83.55) v1(172.53,81.01) v1(172.53,78.47) v1(172.53,75.93) v1(172.53,70.85) v1(172.53,68.31) v1(172.53,65.77) v1(172.53,63.23) v1(172.53,60.69) v1(172.53,58.15) v1(172.53,55.61) v1(172.53,53.07) v1(172.53,50.53) v1(172.53,47.99) v1(172.53,45.45) v1(172.53,37.83) v1(172.53,35.29) v1(172.53,32.75) v1(172.53,30.21) v1(172.53,27.67) v1(172.53,25.13) v1(172.53,22.59) v1(172.53,20.05) v1(172.53,17.51) v1(172.53,14.97) v1(172.53,12.43) v1(172.53,9.89) v1(172.53,7.35) v1(172.53,4.81) v1(175.07,167.37) v1(175.07,164.83) v1(175.07,162.29) v1(175.07,144.51) v1(175.07,141.97) v1(175.07,139.43) v1(175.07,136.89) v1(175.07,134.35) v1(175.07,131.81) v1(175.07,126.73) v1(175.07,124.19) v1(175.07,121.65) v1(175.07,116.57) v1(175.07,114.03) v1(175.07,108.95) v1(175.07,103.87) v1(175.07,101.33) v1(175.07,98.79) v1(175.07,88.63) v1(175.07,86.09) v1(175.07,65.77) v1(175.07,63.23) v1(175.07,60.69) v1(175.07,58.15) v1(175.07,55.61) v1(175.07,53.07) v1(175.07,50.53) v1(175.07,47.99) v1(175.07,45.45) v1(175.07,42.91) v1(175.07,35.29) v1(175.07,32.75) v1(175.07,30.21) v1(175.07,27.67) v1(175.07,25.13) v1(175.07,22.59) v1(175.07,20.05) v1(175.07,17.51) v1(175.07,14.97) v1(175.07,12.43) v1(175.07,9.89) v1(175.07,7.35) v1(175.07,4.81) v1(177.61,167.37) v1(177.61,164.83) v1(177.61,162.29) v1(177.61,144.51) v1(177.61,141.97) v1(177.61,139.43) v1(177.61,136.89) v1(177.61,134.35) v1(177.61,131.81) v1(177.61,126.73) v1(177.61,124.19) v1(177.61,121.65) v1(177.61,116.57) v1(177.61,114.03) v1(177.61,108.95) v1(177.61,103.87) v1(177.61,101.33) v1(177.61,98.79) v1(177.61,88.63) v1(177.61,65.77) v1(177.61,63.23) v1(177.61,60.69) v1(177.61,58.15) v1(177.61,55.61) v1(177.61,53.07) v1(177.61,50.53) v1(177.61,47.99) v1(177.61,45.45) v1(177.61,42.91) v1(177.61,40.37) v1(177.61,32.75) v1(177.61,30.21) v1(177.61,27.67) v1(177.61,25.13) v1(177.61,22.59) v1(177.61,20.05) v1(177.61,17.51) v1(177.61,14.97) v1(177.61,12.43) v1(177.61,9.89) v1(177.61,7.35) v1(177.61,4.81) v1(180.15,167.37) v1(180.15,164.83) v1(180.15,162.29) v1(180.15,144.51) v1(180.15,141.97) v1(180.15,139.43) v1(180.15,136.89) v1(180.15,134.35) v1(180.15,131.81) v1(180.15,126.73) v1(180.15,124.19) v1(180.15,121.65) v1(180.15,116.57) v1(180.15,114.03) v1(180.15,108.95) v1(180.15,65.77) v1(180.15,63.23) v1(180.15,60.69) v1(180.15,58.15) v1(180.15,55.61) v1(180.15,53.07) v1(180.15,50.53) v1(180.15,42.91) v1(180.15,40.37) v1(180.15,30.21) v1(180.15,27.67) v1(180.15,25.13) v1(180.15,22.59) v1(180.15,20.05) v1(180.15,17.51) v1(180.15,14.97) v1(180.15,12.43) v1(180.15,9.89) v1(180.15,7.35) v1(180.15,4.81) v1(182.69,167.37) v1(182.69,164.83) v1(182.69,162.29) v1(182.69,144.51) v1(182.69,141.97) v1(182.69,139.43) v1(182.69,136.89) v1(182.69,134.35) v1(182.69,131.81) v1(182.69,126.73) v1(182.69,124.19) v1(182.69,121.65) v1(182.69,116.57) v1(182.69,114.03) v1(182.69,108.95) v1(182.69,65.77) v1(182.69,63.23) v1(182.69,60.69) v1(182.69,58.15) v1(182.69,55.61) v1(182.69,53.07) v1(182.69,47.99) v1(182.69,42.91) v1(182.69,40.37) v1(182.69,25.13) v1(182.69,12.43) v1(182.69,9.89) v1(182.69,7.35) v1(182.69,4.81) v1(185.23,167.37) v1(185.23,164.83) v1(185.23,162.29) v1(185.23,144.51) v1(185.23,141.97) v1(185.23,139.43) v1(185.23,136.89) v1(185.23,134.35) v1(185.23,131.81) v1(185.23,126.73) v1(185.23,124.19) v1(185.23,121.65) v1(185.23,116.57) v1(185.23,114.03) v1(185.23,108.95) v1(185.23,65.77) v1(185.23,63.23) v1(185.23,58.15) v1(185.23,55.61) v1(185.23,53.07) v1(185.23,50.53) v1(185.23,47.99) v1(185.23,25.13) v1(185.23,12.43) v1(185.23,9.89) v1(185.23,7.35) v1(185.23,4.81) v1(187.77,167.37) v1(187.77,164.83) v1(187.77,162.29) v1(187.77,144.51) v1(187.77,141.97) v1(187.77,139.43) v1(187.77,136.89) v1(187.77,134.35) v1(187.77,131.81) v1(187.77,126.73) v1(187.77,124.19) v1(187.77,121.65) v1(187.77,116.57) v1(187.77,114.03) v1(187.77,108.95) v1(187.77,83.55) v1(187.77,81.01) v1(187.77,78.47) v1(187.77,65.77) v1(187.77,63.23) v1(187.77,32.75) v1(187.77,12.43) v1(187.77,9.89) v1(187.77,7.35) v1(187.77,4.81) v1(190.31,167.37) v1(190.31,164.83) v1(190.31,162.29) v1(190.31,144.51) v1(190.31,141.97) v1(190.31,139.43) v1(190.31,136.89) v1(190.31,134.35) v1(190.31,131.81) v1(190.31,126.73) v1(190.31,124.19) v1(190.31,121.65) v1(190.31,116.57) v1(190.31,114.03) v1(190.31,108.95) v1(190.31,103.87) v1(190.31,83.55) v1(190.31,81.01) v1(190.31,78.47) v1(190.31,65.77) v1(190.31,63.23) v1(190.31,60.69) v1(190.31,58.15) v1(190.31,55.61) v1(190.31,53.07) v1(190.31,50.53) v1(190.31,32.75) v1(190.31,12.43) v1(190.31,9.89) v1(190.31,7.35) v1(190.31,4.81) v1(192.85,167.37) v1(192.85,164.83) v1(192.85,162.29) v1(192.85,144.51) v1(192.85,141.97) v1(192.85,139.43) v1(192.85,136.89) v1(192.85,134.35) v1(192.85,131.81) v1(192.85,126.73) v1(192.85,124.19) v1(192.85,121.65) v1(192.85,116.57) v1(192.85,114.03) v1(192.85,108.95) v1(192.85,103.87) v1(192.85,83.55) v1(192.85,81.01) v1(192.85,78.47) v1(192.85,65.77) v1(192.85,63.23) v1(192.85,60.69) v1(192.85,47.99) v1(192.85,45.45) v1(192.85,12.43) v1(192.85,9.89) v1(192.85,7.35) v1(192.85,4.81) v1(195.39,167.37) v1(195.39,164.83) v1(195.39,162.29) v1(195.39,144.51) v1(195.39,141.97) v1(195.39,139.43) v1(195.39,136.89) v1(195.39,134.35) v1(195.39,131.81) v1(195.39,126.73) v1(195.39,124.19) v1(195.39,121.65) v1(195.39,116.57) v1(195.39,114.03) v1(195.39,108.95) v1(195.39,103.87) v1(195.39,78.47) v1(195.39,65.77) v1(195.39,63.23) v1(195.39,60.69) v1(195.39,58.15) v1(195.39,55.61) v1(195.39,53.07) v1(195.39,50.53) v1(195.39,47.99) v1(195.39,45.45) v1(195.39,12.43) v1(195.39,9.89) v1(195.39,7.35) v1(195.39,4.81) v1(197.93,167.37) v1(197.93,164.83) v1(197.93,162.29) v1(197.93,126.73) v1(197.93,124.19) v1(197.93,121.65) v1(197.93,116.57) v1(197.93,114.03) v1(197.93,108.95) v1(197.93,103.87) v1(197.93,81.01) v1(197.93,42.91) v1(197.93,35.29) v1(197.93,32.75) v1(197.93,22.59) v1(197.93,12.43) v1(197.93,9.89) v1(197.93,7.35) v1(197.93,4.81) v1(200.47,167.37) v1(200.47,164.83) v1(200.47,162.29) v1(200.47,126.73) v1(200.47,124.19) v1(200.47,116.57) v1(200.47,114.03) v1(200.47,108.95) v1(200.47,103.87) v1(200.47,65.77) v1(200.47,63.23) v1(200.47,60.69) v1(200.47,58.15) v1(200.47,55.61) v1(200.47,47.99) v1(200.47,35.29) v1(200.47,32.75) v1(200.47,12.43) v1(200.47,9.89) v1(200.47,7.35) v1(200.47,4.81) v1(203.01,167.37) v1(203.01,164.83) v1(203.01,162.29) v1(203.01,116.57) v1(203.01,114.03) v1(203.01,108.95) v1(203.01,103.87) v1(203.01,65.77) v1(203.01,63.23) v1(203.01,60.69) v1(203.01,58.15) v1(203.01,55.61) v1(203.01,35.29) v1(203.01,32.75) v1(203.01,27.67) v1(203.01,25.13) v1(203.01,22.59) v1(203.01,20.05) v1(203.01,17.51) v1(203.01,14.97) v1(203.01,12.43) v1(203.01,9.89) v1(203.01,7.35) v1(203.01,4.81) v1(205.55,167.37) v1(205.55,164.83) v1(205.55,162.29) v1(205.55,114.03) v1(205.55,108.95) v1(205.55,65.77) v1(205.55,63.23) v1(205.55,60.69) v1(205.55,58.15) v1(205.55,37.83) v1(205.55,35.29) v1(205.55,32.75) v1(205.55,17.51) v1(205.55,12.43) v1(205.55,9.89) v1(205.55,7.35) v1(205.55,4.81) v1(208.09,167.37) v1(208.09,164.83) v1(208.09,162.29) v1(208.09,65.77) v1(208.09,63.23) v1(208.09,60.69) v1(208.09,58.15) v1(208.09,37.83) v1(208.09,35.29) v1(208.09,32.75) v1(208.09,22.59) v1(208.09,20.05) v1(208.09,17.51) v1(208.09,14.97) v1(208.09,12.43) v1(208.09,9.89) v1(208.09,7.35) v1(208.09,4.81) v1(210.63,167.37) v1(210.63,164.83) v1(210.63,162.29) v1(210.63,65.77) v1(210.63,63.23) v1(210.63,60.69) v1(210.63,58.15) v1(210.63,53.07) v1(210.63,40.37) v1(210.63,37.83) v1(210.63,35.29) v1(210.63,12.43) v1(210.63,9.89) v1(210.63,7.35) v1(210.63,4.81) v1(213.17,167.37) v1(213.17,164.83) v1(213.17,162.29) v1(213.17,65.77) v1(213.17,63.23) v1(213.17,60.69) v1(213.17,50.53) v1(213.17,20.05) v1(213.17,7.35) v1(213.17,4.81) v1(215.71,167.37) v1(215.71,164.83) v1(215.71,162.29) v1(215.71,65.77) v1(215.71,63.23) v1(215.71,60.69) v1(215.71,50.53) v1(215.71,45.45) v1(215.71,20.05) v1(215.71,7.35) v1(215.71,4.81) v1(218.25,167.37) v1(218.25,164.83) v1(218.25,162.29) v1(218.25,126.73) v1(218.25,124.19) v1(218.25,83.55) v1(218.25,65.77) v1(218.25,63.23) v1(218.25,60.69) v1(218.25,20.05) v1(218.25,4.81) v1(220.79,167.37) v1(220.79,164.83) v1(220.79,162.29) v1(220.79,116.57) v1(220.79,114.03) v1(220.79,83.55) v1(220.79,65.77) v1(220.79,63.23) v1(220.79,60.69) v1(220.79,45.45) v1(220.79,4.81) v1(223.33,167.37) v1(223.33,164.83) v1(223.33,162.29) v1(223.33,119.11) v1(223.33,116.57) v1(223.33,114.03) v1(223.33,63.23) v1(223.33,60.69) v1(223.33,45.45) v1(223.33,14.97) v1(223.33,4.81) v1(225.87,167.37) v1(225.87,164.83) v1(225.87,162.29) v1(225.87,119.11) v1(225.87,116.57) v1(225.87,114.03) v1(225.87,53.07) v1(225.87,17.51) v1(225.87,14.97) v1(225.87,4.81) v1(228.41,167.37) v1(228.41,164.83) v1(228.41,162.29) v1(228.41,144.51) v1(228.41,141.97) v1(228.41,139.43) v1(228.41,136.89) v1(228.41,134.35) v1(228.41,131.81) v1(228.41,126.73) v1(228.41,119.11) v1(228.41,116.57) v1(228.41,114.03) v1(228.41,53.07) v1(228.41,4.81) v1(230.95,167.37) v1(230.95,164.83) v1(230.95,162.29) v1(230.95,144.51) v1(230.95,141.97) v1(230.95,139.43) v1(230.95,136.89) v1(230.95,134.35) v1(230.95,131.81) v1(230.95,126.73) v1(230.95,119.11) v1(230.95,116.57) v1(230.95,114.03) v1(230.95,4.81) v1(233.49,167.37) v1(233.49,164.83) v1(233.49,162.29) v1(233.49,144.51)